# Altium PCB PCB2.PcbDoc (part 1 of 2) (continued)
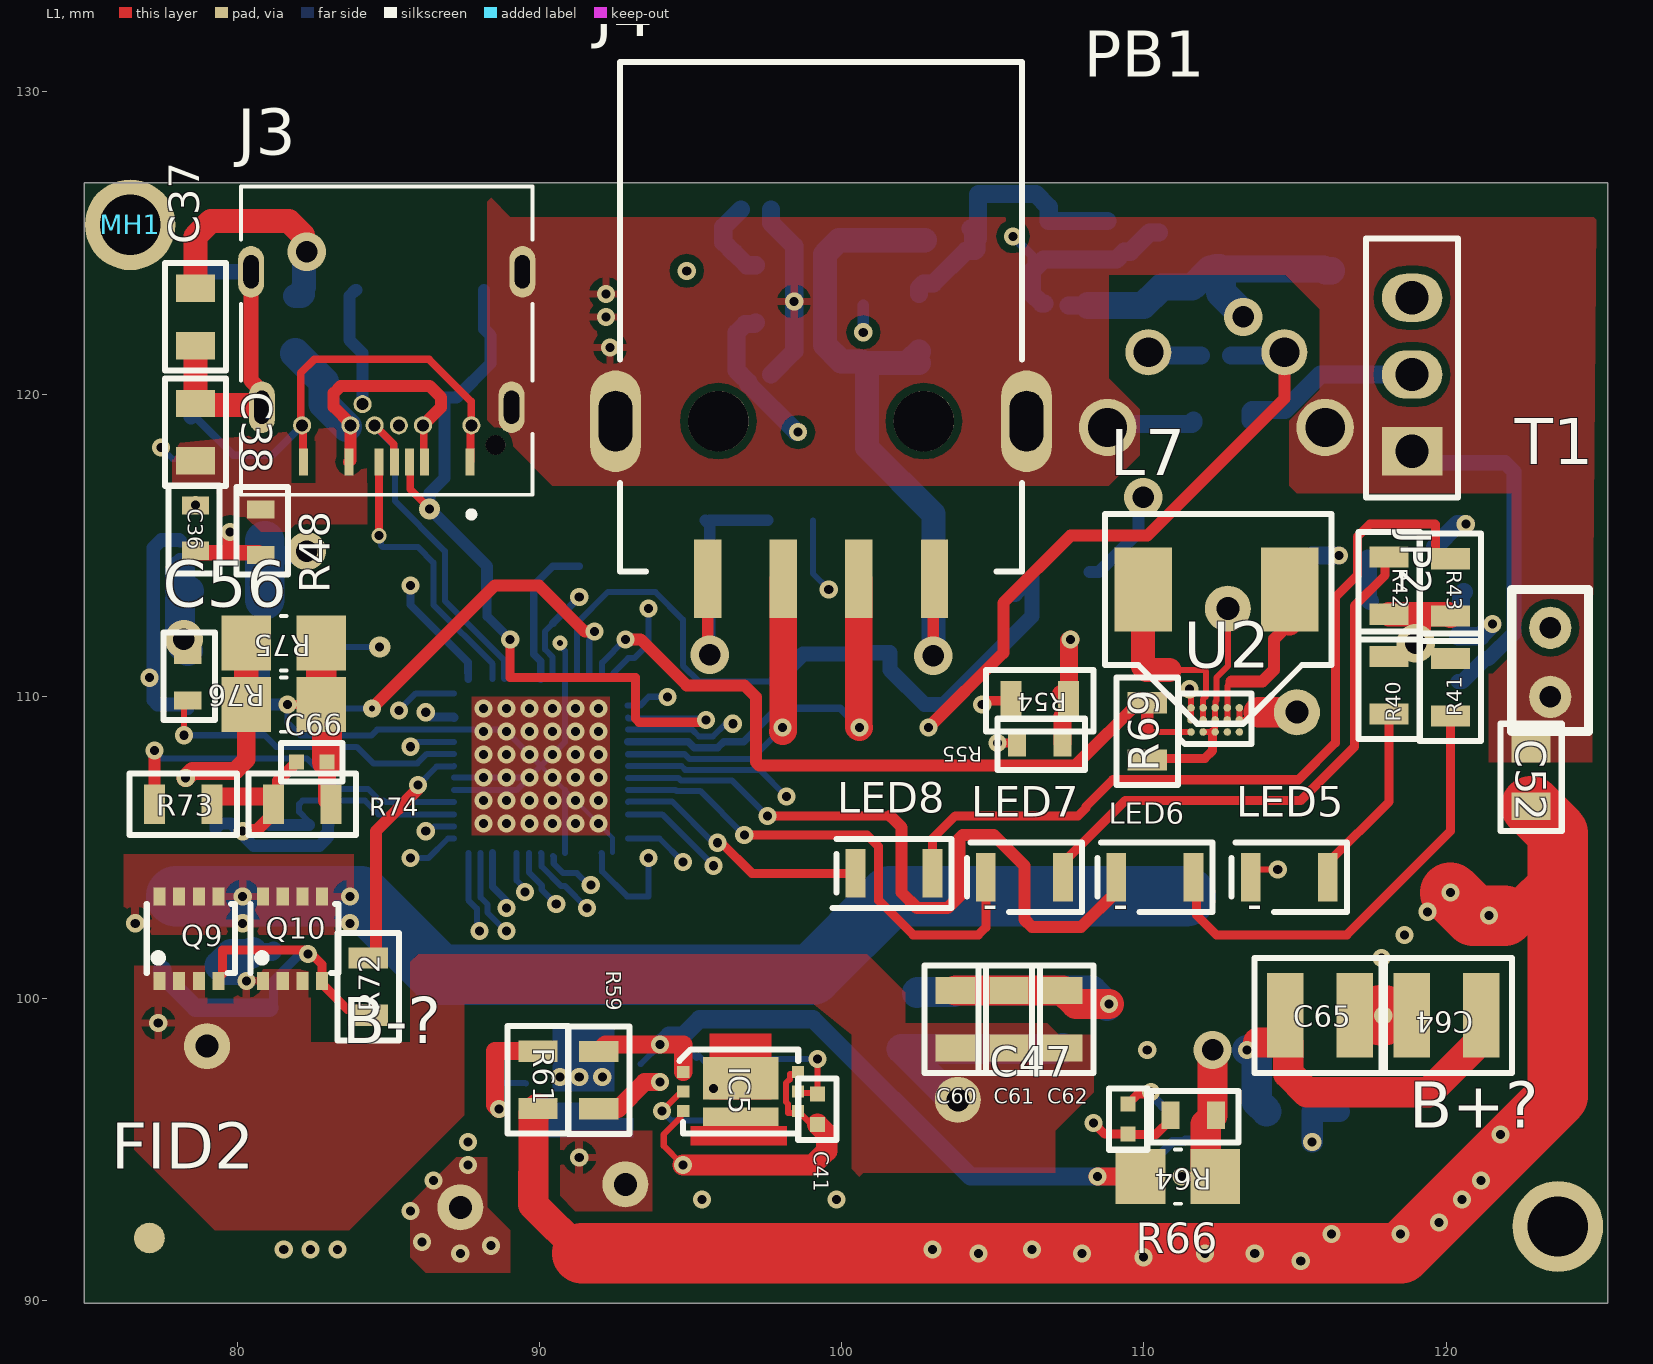
[diagram p0: L1 view]
## Design rules (kind name [scope] priority, off if disabled: settings) (continued)
PolygonConnect PolygonConnect_15 [All vs IsNamedPolygon('L4-GND 1')] p13: thpad.connectstyle=Direct thpad.reliefconductorwidth=0.254 thpad.reliefentries=4 thpad.polygonreliefangle="90 Angle" thpad.airgapwidth=0.254 smdpad.connectstyle=Direct smdpad.reliefconductorwidth=0.254 smdpad.reliefentries=4 smdpad.polygonreliefangle="90 Angle" smdpad.airgapwidth=0.254 via.connectstyle=Relief via.reliefconductorwidth=0.254 via.reliefentries=4 via.polygonreliefangle="90 Angle" via.airgapwidth=0.254
PolygonConnect PolygonConnect_14 [All vs IsNamedPolygon('L4-GND')] p14: thpad.connectstyle=Direct thpad.reliefconductorwidth=0.254 thpad.reliefentries=4 thpad.polygonreliefangle="90 Angle" thpad.airgapwidth=0.254 smdpad.connectstyle=Direct smdpad.reliefconductorwidth=0.254 smdpad.reliefentries=4 smdpad.polygonreliefangle="90 Angle" smdpad.airgapwidth=0.254 via.connectstyle=Relief via.reliefconductorwidth=0.254 via.reliefentries=4 via.polygonreliefangle="90 Angle" via.airgapwidth=0.254
PolygonConnect PolygonConnect_13 [All vs IsNamedPolygon('L4-B+')] p15: thpad.connectstyle=Direct thpad.reliefconductorwidth=0.254 thpad.reliefentries=4 thpad.polygonreliefangle="90 Angle" thpad.airgapwidth=0.254 smdpad.connectstyle=Direct smdpad.reliefconductorwidth=0.254 smdpad.reliefentries=4 smdpad.polygonreliefangle="90 Angle" smdpad.airgapwidth=0.254 via.connectstyle=Relief via.reliefconductorwidth=0.254 via.reliefentries=4 via.polygonreliefangle="90 Angle" via.airgapwidth=0.254
PolygonConnect PolygonConnect_12 [All vs IsNamedPolygon('L4-ISEN')] p16: thpad.connectstyle=Direct thpad.reliefconductorwidth=0.254 thpad.reliefentries=4 thpad.polygonreliefangle="90 Angle" thpad.airgapwidth=0.254 smdpad.connectstyle=Direct smdpad.reliefconductorwidth=0.254 smdpad.reliefentries=4 smdpad.polygonreliefangle="90 Angle" smdpad.airgapwidth=0.254 via.connectstyle=Relief via.reliefconductorwidth=0.254 via.reliefentries=4 via.polygonreliefangle="90 Angle" via.airgapwidth=0.254
PolygonConnect PolygonConnect_11 [All vs IsNamedPolygon('L1-VCC')] p17: thpad.connectstyle=Direct thpad.reliefconductorwidth=0.254 thpad.reliefentries=4 thpad.polygonreliefangle="90 Angle" thpad.airgapwidth=0.254 smdpad.connectstyle=Direct smdpad.reliefconductorwidth=0.254 smdpad.reliefentries=4 smdpad.polygonreliefangle="90 Angle" smdpad.airgapwidth=0.254 via.connectstyle=Relief via.reliefconductorwidth=0.254 via.reliefentries=4 via.polygonreliefangle="90 Angle" via.airgapwidth=0.254
PolygonConnect PolygonConnect_10 [All vs IsNamedPolygon('L4-NetL8_1')] p18: thpad.connectstyle=Direct thpad.reliefconductorwidth=0.254 thpad.reliefentries=4 thpad.polygonreliefangle="90 Angle" thpad.airgapwidth=0.254 smdpad.connectstyle=Direct smdpad.reliefconductorwidth=0.254 smdpad.reliefentries=4 smdpad.polygonreliefangle="90 Angle" smdpad.airgapwidth=0.254 via.connectstyle=Relief via.reliefconductorwidth=0.254 via.reliefentries=4 via.polygonreliefangle="90 Angle" via.airgapwidth=0.254
PolygonConnect PolygonConnect_9 [All vs IsNamedPolygon('L1-No Net')] p19: thpad.connectstyle=Direct thpad.reliefconductorwidth=0.254 thpad.reliefentries=4 thpad.polygonreliefangle="90 Angle" thpad.airgapwidth=0.254 smdpad.connectstyle=Direct smdpad.reliefconductorwidth=0.254 smdpad.reliefentries=4 smdpad.polygonreliefangle="90 Angle" smdpad.airgapwidth=0.254 via.connectstyle=Relief via.reliefconductorwidth=0.254 via.reliefentries=4 via.polygonreliefangle="90 Angle" via.airgapwidth=0.254
PolygonConnect PolygonConnect_8 [All vs IsNamedPolygon('L1-NetL8_1')] p20: thpad.connectstyle=Direct thpad.reliefconductorwidth=0.254 thpad.reliefentries=4 thpad.polygonreliefangle="90 Angle" thpad.airgapwidth=0.254 smdpad.connectstyle=Direct smdpad.reliefconductorwidth=0.254 smdpad.reliefentries=4 smdpad.polygonreliefangle="90 Angle" smdpad.airgapwidth=0.254 via.connectstyle=Relief via.reliefconductorwidth=0.254 via.reliefentries=4 via.polygonreliefangle="90 Angle" via.airgapwidth=0.254
PolygonConnect PolygonConnect_7 [All vs IsNamedPolygon('L4-NetL8_1')] p21: thpad.connectstyle=Direct thpad.reliefconductorwidth=0.254 thpad.reliefentries=4 thpad.polygonreliefangle="90 Angle" thpad.airgapwidth=0.254 smdpad.connectstyle=Direct smdpad.reliefconductorwidth=0.254 smdpad.reliefentries=4 smdpad.polygonreliefangle="90 Angle" smdpad.airgapwidth=0.254 via.connectstyle=Relief via.reliefconductorwidth=0.254 via.reliefentries=4 via.polygonreliefangle="90 Angle" via.airgapwidth=0.254
PolygonConnect PolygonConnect_6 [All vs IsNamedPolygon('L4-NetL8_1')] p22: thpad.connectstyle=Direct thpad.reliefconductorwidth=0.254 thpad.reliefentries=4 thpad.polygonreliefangle="90 Angle" thpad.airgapwidth=0.254 smdpad.connectstyle=Relief smdpad.reliefconductorwidth=0.254 smdpad.reliefentries=4 smdpad.polygonreliefangle="90 Angle" smdpad.airgapwidth=0.254 via.connectstyle=Relief via.reliefconductorwidth=0.254 via.reliefentries=4 via.polygonreliefangle="90 Angle" via.airgapwidth=0.254
PolygonConnect PolygonConnect_5 [All vs IsNamedPolygon('L4-NetL8_1')] p23: thpad.connectstyle=Direct thpad.reliefconductorwidth=0.254 thpad.reliefentries=4 thpad.polygonreliefangle="90 Angle" thpad.airgapwidth=0.254 smdpad.connectstyle=Direct smdpad.reliefconductorwidth=0.254 smdpad.reliefentries=4 smdpad.polygonreliefangle="90 Angle" smdpad.airgapwidth=0.254 via.connectstyle=Relief via.reliefconductorwidth=0.254 via.reliefentries=4 via.polygonreliefangle="90 Angle" via.airgapwidth=0.254
PolygonConnect PolygonConnect_4 [All vs IsNamedPolygon('L4-NetC48_2')] p24: thpad.connectstyle=Direct thpad.reliefconductorwidth=0.254 thpad.reliefentries=4 thpad.polygonreliefangle="90 Angle" thpad.airgapwidth=0.254 smdpad.connectstyle=Direct smdpad.reliefconductorwidth=0.254 smdpad.reliefentries=4 smdpad.polygonreliefangle="90 Angle" smdpad.airgapwidth=0.254 via.connectstyle=Relief via.reliefconductorwidth=0.254 via.reliefentries=4 via.polygonreliefangle="90 Angle" via.airgapwidth=0.254
PolygonConnect PolygonConnect_3 [All vs IsNamedPolygon('L4-NetC48_2')] p25: thpad.connectstyle=Direct thpad.reliefconductorwidth=0.254 thpad.reliefentries=4 thpad.polygonreliefangle="90 Angle" thpad.airgapwidth=0.254 smdpad.connectstyle=Direct smdpad.reliefconductorwidth=0.254 smdpad.reliefentries=4 smdpad.polygonreliefangle="90 Angle" smdpad.airgapwidth=0.254 via.connectstyle=Relief via.reliefconductorwidth=0.254 via.reliefentries=4 via.polygonreliefangle="90 Angle" via.airgapwidth=0.254
PolygonConnect PolygonConnect_2 [All vs IsNamedPolygon('L4-NetC48_2')] p26: thpad.connectstyle=Direct thpad.reliefconductorwidth=0.254 thpad.reliefentries=4 thpad.polygonreliefangle="90 Angle" thpad.airgapwidth=0.254 smdpad.connectstyle=Direct smdpad.reliefconductorwidth=0.254 smdpad.reliefentries=4 smdpad.polygonreliefangle="90 Angle" smdpad.airgapwidth=0.254 via.connectstyle=Relief via.reliefconductorwidth=0.254 via.reliefentries=4 via.polygonreliefangle="90 Angle" via.airgapwidth=0.254
PolygonConnect PolygonConnect_1 [All vs IsNamedPolygon('L4-NetC48_2')] p27: thpad.connectstyle=Direct thpad.reliefconductorwidth=0.254 thpad.reliefentries=4 thpad.polygonreliefangle="90 Angle" thpad.airgapwidth=0.254 smdpad.connectstyle=Direct smdpad.reliefconductorwidth=0.254 smdpad.reliefentries=4 smdpad.polygonreliefangle="90 Angle" smdpad.airgapwidth=0.254 via.connectstyle=Relief via.reliefconductorwidth=0.254 via.reliefentries=4 via.polygonreliefangle="90 Angle" via.airgapwidth=0.254
PolygonConnect [All] p28: connectstyle=Relief reliefconductorwidth=0.254 reliefentries=4 polygonreliefangle="90 Angle" airgapwidth=0.254
RoutingVias [All] p1: holewidth=0.711 width=1.27 viastyle="Through Hole" minholewidth=0.711 minwidth=1.27 maxholewidth=0.711 maxwidth=1.27
SolderMaskExpansion [All] p1: expansion=0.08
Width [All] p1: maxlimit=10 minlimit=0.15 preferedwidth=0.254 midlayer1_minwidth=0.254 midlayer1_maxwidth=5 midlayer2_minwidth=0.254 midlayer2_maxwidth=5 minimp=50.000000 maximp=50.000000 favimp=50.000000
29 further rules are at their usual default settings.

## Components (designator, comment, footprint, x,y, rotation, side; value= is the part's Value field where it differs from the comment)
B+? "SMD PAD" "SMD PAD" 120.142,93.345 r0 top
B-? "SMD PAD" "SMD PAD" 84.836,96.139 r0 top
C34 "1uF 16V" R0603 91.313,115.062 r270 bottom
C35 "1000pF 16V" C0402 112.387,121.285 r180 bottom
C36 "1uF 16V" R0603 78.613,115.57 r270 top
C37 "22uF 16V 0805" "Cap 0805" 78.613,122.555 r90 top
C38 "100n" "Cap 0805" 78.613,118.745 r270 top
C39 "390pF" R0603 87.63,121.793 r180 bottom
C40 "1uF 16V" R0603 120.396,111.24 r90 bottom
C41 "0.1uF 16V" C0402 99.195,96.337 r90 top
C42 "390pF" R0603 84.455,121.793 r180 bottom
C43 "1uF 16V" R0603 114.808,96.266 r0 bottom
C44 "100n" "Cap 0805" 103.505,121.031 r180 bottom
C45 "22uF 16V 0805" "Cap 0805" 103.505,123.317 r180 bottom
C46 "0.1uF 16V" C0402 88.654,97.734 r270 bottom
C47 "0.1uF 16V" C0402 109.474,96.012 r90 top
C48 "0.1uF 16V" C0402 93.218,124.206 r0 bottom
C49 "22uF 16V 0805" "Cap 0805" 112.395,125.095 r270 bottom
C50 "22uF 16V 0805" "Cap 0805" 114.173,125.095 r270 bottom
C51 "22uF 16V 0805 x3" "Cap 0805" 116.205,125.034 r270 bottom
C52 "10u" "Cap 0805" 122.809,107.315 r270 top
C53 "1000pF 16V" C0402 97.155,120.65 r180 bottom
C54 "22000pF 16V" C0402 97.163,126.111 r180 bottom
C55 "1uF 16V" R0603 102.489,99.441 r270 bottom
C56 "1uF 16V" R0603 78.359,110.617 r90 top
C57 "22uF 16V 0805" "Cap 0805" 107.315,99.314 r270 bottom
C58 "22uF 16V 0805" "Cap 0805" 105.537,99.314 r270 bottom
C59 "22uF 16V 0805" "Cap 0805" 103.759,99.314 r270 bottom
C60 "22uF 16V 0805" "Cap 0805" 103.759,99.314 r270 top
C61 "22uF 16V 0805" "Cap 0805" 105.537,99.314 r270 top
C62 "22uF 16V 0805" "Cap 0805" 107.315,99.314 r270 top
C63 "1pF 16V" C0402 81.191,101.092 r90 bottom
C64 "47uF 16V" C1210 120.015,99.441 r180 top
C65 "47uF 16V" C1210 115.824,99.441 r0 top
C66 "1pF 16V" C0402 82.461,107.823 r180 top
D5 "3pins schottkey common cathode 0.2A 30V" "3Pins schottkey" 119.634,114.173 r180 bottom
D6 "zener SOD532 5.1V 10mA" "Zener SOD532" 87.503,123.444 r180 bottom
D7 "zener SOD532 5.1V 10mA" "Zener SOD532" 84.607,123.444 r0 bottom
D8 "Common Anode" "3Pins schottkey" 116.525,112.432 r0 bottom
FID1 "FID 1mm" FID 123.571,124.587 r180 bottom
FID2 "FID 1mm" FID 77.089,92.075 r90 top
IC4 "LC709511FQD-A00TWG" Quad52 90.043,107.696 r270 bottom
IC5 "LC05111C02MTTTG" LC05111C02MTTTGOSCT 96.655,96.924 r270 top
IC6 "LC05111C02MTTTG" LC05111C02MTTTGOSCT 91.448,97.183 r270 bottom
J3 "10137061-00021LF" PCBComponent_1 84.941,120.904 r180 top
J4 "USB A SMD" 692122030100 99.314,122.555 r180 top
JP2 "HDR Male 1x3" "HDR Male 1x3" 118.872,118.11 r180 top
L5 "Ferrite bead 30Ohm" R0805 81.915,122.301 r90 bottom
L6 "Ferrite bead 30Ohm" R0805 103.505,125.095 r0 bottom
L7 "470nH 12A" "inductor 470nH" 112.395,113.538 r0 top
L8 "4.6uH Power inductor" "inductor mouser" 115.179,103.378 r0 bottom
LED5 "RED SMD" "ORNG LED SMD 1206" 114.808,104.013 r0 top
LED6 "RED SMD" "ORNG LED SMD 1206" 110.363,104.013 r0 top
LED7 "RED SMD" "ORNG LED SMD 1206" 106.045,104.013 r0 top
LED8 "GRN SMD" "GRN SMD LED" 101.727,104.14 r0 top
MH1 "MH. not plated" "MH. not plated" 76.454,125.603 r180 top
MH2 "MH. not plated" "MH. not plated" 123.698,92.456 r180 bottom
PB1 "FSMRA4JH04" "PB Right angle through hole" 112.395,120.142 r180 top
Q7 "P channel mosfet" ECH8310-TL-H 79.502,114.173 r90 bottom
Q8 "P channel mosfet" ECH8310-TL-H 107.823,124.333 r180 bottom
Q9 "P channel mosfet" ECH8310-TL-H 78.397,101.981 r0 top
Q10 "P channel mosfet" ECH8310-TL-H 81.826,101.981 r0 top
Q11 "N channel mosfet" "Power mosfet on semi" 78.302,104.267 r180 bottom
Q12 "N channel mosfet" "Power mosfet on semi" 82.038,104.267 r180 bottom
R39 "100K" R0805 112.583,119.126 r180 bottom
R40 "330" R0805 118.11,110.363 r90 top
R41 "330" R0805 120.142,110.302 r90 top
R42 "330" R0805 118.11,113.665 r270 top
R43 "330" R0805 120.142,113.604 r270 top
R44 "100K" R0805 106.426,115.062 r90 bottom
R45 "51k" R0805 108.204,115.062 r90 bottom
R46 "51k" R0805 81.595,109.601 r0 bottom
R47 "51k" R0805 81.661,111.379 r0 bottom
R48 "100Ohm" R0603 80.772,115.431 r90 top
R49 "100Ohm" R0603 78.464,118.491 r270 bottom
R50 "510k" R0805 78.359,110.556 r90 bottom
R51 "1k ohm" R0805 95.512,96.914 r90 bottom
R52 "20mOhm" R1206 78.464,122.301 r90 bottom
R53 "680Ohm 1/8 W" R0805 97.036,96.914 r270 bottom
R54 "10k ohm" R0805 106.553,109.855 r0 top
R55 "100Ohm" R0603 106.553,108.458 r0 top
R56 "100Ohm" R0603 117.221,96.266 r0 bottom
R57 "100Ohm" R0603 98.298,115.824 r0 bottom
R58 "20mOhm" R1206 94.234,115.824 r180 bottom
R59 "1k ohm" R0805 91.956,97.3 r90 top
R60 "510k" R0805 110.49,124.394 r270 bottom
R61 "680Ohm 1/8 W" R0805 89.948,97.308 r270 top
R62 "100Ohm" R0603 111.645,96.012 r0 bottom
R63 "10mOhm" R1206 111.125,94.107 r180 bottom
R64 "10mOhm" R1206 111.125,94.107 r180 top
R65 "910k 1%" R0805 100.711,121.986 r270 bottom
R66 "100Ohm" R0603 111.633,96.139 r0 top
R67 "180k 1%" R0805 93.472,122.174 r0 bottom
R68 "2.2k" R0805 97.155,123.317 r90 bottom
R69 "51k" R0805 110.109,108.839 r90 top
R70 "150k" R0805 116.459,114.554 r180 bottom
R71 "100K" R0805 78.463,101.092 r180 bottom
R72 "0 R" R0805 84.328,100.396 r270 top
R73 "0 R" R0805 78.204,106.426 r0 top
R74 "100K" R0805 82.146,106.426 r180 top
R75 "10mOhm" R1206 81.534,111.76 r180 top
R76 "10mOhm" R1206 81.534,109.728 r180 top
T1 "10K NTC thermistor" THERMISTOR 123.444,111.125 r90 top
U2 "2nd boost ic" BGA3x5 112.357,109.22 r90 top

## Footprints (in the part's own frame and the unit in brackets; to place one, negate y for a bottom-side part, rotate by r counter-clockwise, add the part's x,y. Pads: shape width x height; smd on the part's side, far side on the other; paste and mask are expansions set on the pad)
"3Pins schottkey" [mm]
  rect 0.8x0.9 smd: 1(-0.95,-0.725) 2(0.95,-0.725) 3(0,0.725)
  silkscreen extent -1.4,-0.64 1.4,0.76, body extent -1.46,-1.18 1.46,1.19, height 1.11
692122030100 [mm]
  rect 0.9x2.6 smd: 1(-3.75,8.67) 2(-1.25,8.67) 3(1.25,8.67) 4(3.75,8.67)
  oval 1.68x3.36 hole 1.12 slot 2 at 90 deg: S1(6.8,3.45) S2(-6.8,3.45)
  round 2 hole 2 unplated: ""(-3.4,3.45) ""(3.4,3.45)
  silkscreen extent -6.65,-8.43 6.65,8.43, body extent -7.68,-8.21 7.42,9.59, height 7.96
BGA3x5 [mm]
  round 0.25 smd mask+0.015: AGND(-0.4,0) EN(-0.4,0.8) GND(0,0) GND(0.4,0) LX1(0,0.4) LX1(0.4,0.4) LX2(0,-0.4) LX2(0.4,-0.4) SCL(-0.4,-0.4) SDA(-0.4,-0.8) VIN(0,0.8) VIN(0.4,0.8) VOUT(0,-0.8) VOUT(0.4,-0.8) VSEL(-0.4,0.4)
  silkscreen extent -0.8,-1.2 0.87,1.2, body extent -0.67,-1.13 0.67,1.13, height 0.54
C0402 [mm]
  rect 0.5x0.5 smd: 1(-0.5,0) 2(0.5,0)
  silkscreen extent -1.02,-0.64 1.02,0.64, body extent -0.5,-0.25 0.5,0.25, height 0.47
C1210 [mm]
  rect 1.2x2.8 smd: 1(-1.15,0) 2(1.15,0)
  silkscreen extent -2.16,-1.91 2.16,1.91, body extent -1.6,-1.25 1.6,1.25, height 0.94
"Cap 0805" [mm]
  rect 0.9x1.3 smd: 1(-0.95,0) 2(0.95,0)
  silkscreen extent -1.78,-1.02 1.78,1.02, body extent -1,-0.6 1,0.6, height 1.53
ECH8310-TL-H [mm]
  rect 0.4x0.6 smd: D(-0.975,1.4) D(-0.325,1.4) D(0.325,1.4) D(0.975,1.4) G(0.975,-1.4) S(-0.975,-1.4) S(-0.325,-1.4) S(0.325,-1.4)
  silkscreen extent -1.4,-1.14 1.52,1.14, body extent -1.45,-1.4 1.45,1.4, height 0.95
FID [mil]
  round 40 smd paste-1574.8 mask+40: 1(0,0)
"GRN SMD LED" [mm]
  rect 0.65x1.6 smd: 1(-1.275,0) 2(1.275,0)
  silkscreen extent -2.03,-1.14 1.91,1.14, body extent -1.6,-0.8 1.6,0.8, height 1.1
"HDR Male 1x3" [mm]
  rect 2x1.6 hole 1.1: 1(0,0)
  oval 2x1.6 hole 1.1: 2(0,-2.54) 3(0,-5.08)
  silkscreen extent -1.52,-7.04 1.52,1.52, body extent -1.21,-6.15 1.2,1.07, height 8.1
"inductor 470nH" [mm]
  rect 1.905x2.79 smd: 1(-2.425,0) 2(2.426,0)
  silkscreen extent -3.68,-4.44 3.81,2.5, body extent -3.25,-3 3.25,3, height 3
"inductor mouser" [mm]
  rect 2.2x5.2 smd: 1(-3.8,0) 2(3.8,0)
  silkscreen extent -6,-6 6,6, body extent -6,-6 6,6, height 7.42
LC05111C02MTTTGOSCT [mm]
  rect 0.4x0.4 smd: CS(0,-1.9) S1(-0.65,1.9) S2(-0.65,-1.9) TST(0.65,-1.9) VCC(0,1.9) VSS(0.65,1.9)
  rect 1.415x2.5 smd: D(-0.437,0)
  rect 0.615x2.5 smd mask+0.09: SUB(0.837,0)
  L1 region: 0.635,1.143 1.143,1.143 1.143,1.524 1.778,1.524 1.778,-1.651 1.143,-1.651 1.143,-1.143 0.635,-1.143
  L1 region: 0.127,1.016 -1.905,1.016 -1.905,-1.016 0.254,-1.016 0.254,1.016
  silkscreen extent -1.4,-2.03 1.4,1.91, body extent -1.3,-1.9 1.3,1.9, height 0.9
"MH. not plated" [mm]
  round 3 hole 2 unplated: 1(0,0)
"ORNG LED SMD 1206" [mm]
  rect 0.65x1.6 smd: 1(-1.275,0) 2(1.275,0)
  silkscreen extent -1.91,-1.14 1.91,1.14, body extent -1.6,-0.8 1.6,0.8, height 1.1
"PB Right angle through hole" [mm]
  round 1.524 hole 0.99: 1(-2.25,-1.245) 2(2.25,-1.245)
  round 1.9 hole 1.3: 3(3.6,1.245) 4(-3.6,1.245)
  body extent -4.2,-9.6 4.21,2.76, height 7.06
PCBComponent_1 [mm]
  rect 0.3x0.9 smd: A1(-2.75,3.145) A4(-1.25,3.145) A5(-0.75,3.145) A6(-0.25,3.145) A7(0.25,3.145) A9(1.25,3.145) A12(2.75,3.145)
  round 0.6 hole 0.4: B1(2.8,1.935) B4(1.2,1.935) B5(0.8,1.235) B6(0.4,1.935) B7(-0.4,1.935) B9(-1.2,1.935) B12(-2.8,1.935)
  oval 0.85x1.7 hole 0.5 slot 1.1 at 90 deg mask+0.08: S1(-4.13,1.335)
  oval 0.85x1.7 hole 0.5 slot 1.1 at 90 deg: S2(4.13,1.335) S3(-4.49,-3.145) S4(4.49,-3.145)
  round 0.65 hole 0.65 unplated: ""(-3.6,2.585)
  silkscreen extent -4.82,-5.96 4.83,4.98, body extent -4.82,-5.95 4.83,4.25, height 3.17
"Power mosfet on semi" [mm]
  rect 0.545x0.57 smd: D(-1.45,0) D(1.45,0)
  rect 0.42x0.47 smd: D(-0.975,-1.47) D(-0.325,-1.47) D(0.325,-1.47) D(0.975,-1.47)
  rect 2.37x1.83 smd: D(0,-0.55)
  rect 0.42x0.66 smd: G(-0.975,1.47) S(-0.325,1.47) S(0.325,1.47) S(0.975,1.47)
  body extent -1.65,-1.65 1.65,1.65, height 1.04
Quad52 [mm]
  rect 0.65x0.25 smd: 1(-2.875,2.4) 2(-2.875,2) 3(-2.875,1.6) 4(-2.875,1.2) 5(-2.875,0.8) 6(-2.875,0.4) 7(-2.875,0) 8(-2.875,-0.4) 9(-2.875,-0.8) 10(-2.875,-1.2) 11(-2.875,-1.6) 12(-2.875,-2) 13(-2.875,-2.4) 27(2.875,-2.4) 28(2.875,-2) 29(2.875,-1.6) 30(2.875,-1.2) 31(2.875,-0.8) 32(2.875,-0.4) 33(2.875,0) 34(2.875,0.4) 35(2.875,0.8) 36(2.875,1.2) 37(2.875,1.6) 38(2.875,2) 39(2.875,2.4)
  rect 0.25x0.65 smd: 14(-2.4,-2.875) 15(-2,-2.875) 16(-1.6,-2.875) 17(-1.2,-2.875) 18(-0.8,-2.875) 19(-0.4,-2.875) 20(0,-2.875) 21(0.4,-2.875) 22(0.8,-2.875) 23(1.2,-2.875) 24(1.6,-2.875) 25(2,-2.875) 26(2.4,-2.875) 40(2.4,2.875) 41(2,2.875) 42(1.6,2.875) 43(1.2,2.875) 44(0.8,2.875) 45(0.4,2.875) 46(0,2.875) 47(-0.4,2.875) 48(-0.8,2.875) 49(-1.2,2.875) 50(-1.6,2.875) 51(-2,2.875) 52(-2.4,2.875)
  rect 4.572x4.572 smd: 53(0,0)
  L1 pour cut-out: 2.667,2.54
  L1 pour cut-out: 2.667,2.54
  L1 pour cut-out: 2.71,2.525 2.55,2.385 2.55,2.525
  L1 pour cut-out: 2.37,2.555 2.53,2.695 2.53,2.555
  L1 pour cut-out: 2.525,-2.71 2.385,-2.55 2.525,-2.55
  L1 pour cut-out: 2.555,-2.37 2.695,-2.53 2.555,-2.53
  L1 pour cut-out: -2.71,-2.525 -2.55,-2.385 -2.55,-2.525
  L1 pour cut-out: -2.37,-2.555 -2.53,-2.695 -2.53,-2.555
  L1 pour cut-out: -2.525,2.71 -2.385,2.55 -2.525,2.55
  L1 pour cut-out: -2.555,2.37 -2.695,2.53 -2.555,2.53
  silkscreen extent -2.01,-2.01 2.01,2.01, body extent -3.05,-3.05 3.05,3.05, height 1
R0603 [mm]
  rect 0.6x0.9 smd: 1(-0.75,0) 2(0.75,0)
  silkscreen extent -1.4,-0.9 1.5,0.8, body extent -0.8,-0.4 0.8,0.44, height 0.8
R0805 [mm]
  rect 0.7x1.3 smd: 1(-0.95,0) 2(0.95,0)
  silkscreen extent -1.78,-1.02 1.78,1.02, body extent -1,-0.6 1,0.6, height 0.7
R1206 [mm]
  rect 1.64x1.82 smd: 1(-1.24,0) 2(1.24,0)
  silkscreen extent -0.1,-0.9 0.1,0.9, body extent -1.6,-0.8 1.6,0.8, height 0.75
"SMD PAD" [mm]
  rect 3x3 smd far side: 1(0,0)
THERMISTOR [mm]
  round 1.4 hole 0.711: 1(-1.143,0) 2(1.143,0)
  silkscreen extent -2.29,-1.27 2.41,1.27, body extent -0.79,-0.8 0.79,0.8, height 35
"Zener SOD532" [mm]
  rect 0.48x0.4 smd: 1(-0.66,0) 2(0.66,0)
  silkscreen extent -1.29,-0.64 1.27,0.64, body extent -0.8,-0.4 0.8,0.4, height 0.7

## Part data
C34 C36 C40 C43 C55 C56: library part "1uF cap", "Cap Ceramic 1uF 16V Y5V -20% to 80% SMD 0603 85C T/R", Capacitance=1uF, Case/Package=0603, Case Code (Metric)=1608, Dielectric=Y5V, Manufacturer 1=Yageo, Manufacturer Part Number 1=CC0603ZRY5V7BB105, Max Operating Temperature=85°C, Min Operating Temperature=-30°C, Package Quantity=1, Supplier Part Number 1=311-1372-1-ND, Tolerance=80%, Voltage Rating=16V, Case Code (Imperial)=0603, ComponentLink1Description=https://datasheet.ciiva.com/26936/getdatasheetpartid-782716-26936063.pdf?src-supplier=Verical, ComponentLink1URL=https://datasheet.ciiva.com/26936/getdatasheetpartid-782716-26936063.pdf?src-supplier=Verical, ComponentLink2Description=https://datasheet.ciiva.com/144/mlccorderingcode-144385.pdf?src-supplier=Digi-Key, ComponentLink2URL=https://datasheet.ciiva.com/144/mlccorderingcode-144385.pdf?src-supplier=Digi-Key, ComponentLink3Description=https://datasheet.ciiva.com/144/mlccorderingcode-144386.pdf?src-supplier=Digi-Key, ComponentLink3URL=https://datasheet.ciiva.com/144/mlccorderingcode-144386.pdf?src-supplier=Digi-Key, ComponentLink4Description=https://datasheet.ciiva.com/144/mlccorderingcode-144387.pdf?src-supplier=Digi-Key, ComponentLink4URL=https://datasheet.ciiva.com/144/mlccorderingcode-144387.pdf?src-supplier=Digi-Key, ComponentLink5Description=https://datasheet.ciiva.com/7978/1132289-7978188.pdf?src-supplier=Element14, ComponentLink5URL=https://datasheet.ciiva.com/7978/1132289-7978188.pdf?src-supplier=Element14, ComponentLink6Description=https://datasheet.ciiva.com/11587/upy-gphc-y5v-6-3v-to-50v-5-11587228.pdf?src-supplier=Avnet, ComponentLink6URL=https://datasheet.ciiva.com/11587/upy-gphc-y5v-6-3v-to-50v-5-11587228.pdf?src-supplier=Avnet, ComponentLink7Description=https://datasheet.ciiva.com/5425/upy-gphc-y5v-6-3v-to-50v-5-5425454.pdf?src-supplier=Mouser, ComponentLink7URL=https://datasheet.ciiva.com/5425/upy-gphc-y5v-6-3v-to-50v-5-5425454.pdf?src-supplier=Mouser, ComponentLink8Description=https://datasheet.ciiva.com/16623/upy-gphc-y5v-6-3v-to-50v-5-16623902.pdf?src-supplier=Avnet+Europe, ComponentLink8URL=https://datasheet.ciiva.com/16623/upy-gphc-y5v-6-3v-to-50v-5-16623902.pdf?src-supplier=Avnet+Europe, Composition=Ceramic, Depth=0.8mm, Dissipation Factor=12.5%, Halogen Free="Halogen Free", Height=0.8mm, Lead Free="Lead Free", Length=1.6mm, Mount="Surface Mount", Packaging="Tape and Reel", Pricing 1="1=0.10000, 10=0.07600, 50=0.04160, 100=0.03400, 500=0.02426, 1000=0.01906 (USD)", Radiation Hardening=No, REACH SVHC=Unknown, RoHS=Yes, Stock 1=1011162, Supplier 1=Digi-Key, Termination=SMD/SMT, Thickness=0.035inch, Voltage Rating (DC)=16V, Width=0.031inch
C35 C53: library part "1000pF cap", "Cap Ceramic 0.001uF 16V X7R 10% Pad SMD 0402 125C T/R", Capacitance=1nF, Case/Package=0402, Case Code (Metric)=1005, Dielectric=X7R, Manufacturer 1=Yageo, Manufacturer Part Number 1=CC0402KRX7R7BB102, Max Operating Temperature=125°C, Min Operating Temperature=-55°C, Package Quantity=1, Supplier Part Number 1=311-1352-6-ND, Tolerance=10%, Voltage Rating=16V, Case Code (Imperial)=0402, ComponentLink1Description=https://datasheet.ciiva.com/143/mlccorderingcode-143963.pdf?src-supplier=Digi-Key, ComponentLink1URL=https://datasheet.ciiva.com/143/mlccorderingcode-143963.pdf?src-supplier=Digi-Key, ComponentLink2Description=https://datasheet.ciiva.com/26862/getdatasheetpartid-698313-26862635.pdf?src-supplier=Verical, ComponentLink2URL=https://datasheet.ciiva.com/26862/getdatasheetpartid-698313-26862635.pdf?src-supplier=Verical, ComponentLink3Description=https://datasheet.ciiva.com/143/mlccorderingcode-143964.pdf?src-supplier=Digi-Key, ComponentLink3URL=https://datasheet.ciiva.com/143/mlccorderingcode-143964.pdf?src-supplier=Digi-Key, ComponentLink4Description=https://datasheet.ciiva.com/17437/upy-gphc-x7r-6-3v-to-50v-8-17437337.pdf?src-supplier=Avnet+Europe, ComponentLink4URL=https://datasheet.ciiva.com/17437/upy-gphc-x7r-6-3v-to-50v-8-17437337.pdf?src-supplier=Avnet+Europe, ComponentLink5Description=https://datasheet.ciiva.com/143/mlccorderingcode-143962.pdf?src-supplier=Digi-Key, ComponentLink5URL=https://datasheet.ciiva.com/143/mlccorderingcode-143962.pdf?src-supplier=Digi-Key, ComponentLink6Description=https://datasheet.ciiva.com/7978/1489800-7978107.pdf?src-supplier=Element14, ComponentLink6URL=https://datasheet.ciiva.com/7978/1489800-7978107.pdf?src-supplier=Element14, ComponentLink7Description=https://datasheet.ciiva.com/11464/upy-gphc-x7r-6-3v-to-50v-8-11464876.pdf?src-supplier=Avnet, ComponentLink7URL=https://datasheet.ciiva.com/11464/upy-gphc-x7r-6-3v-to-50v-8-11464876.pdf?src-supplier=Avnet, Composition=Ceramic, Depth=0.5mm, Halogen Free="Halogen Free", Height=0.5mm, Lead Free="Lead Free", Length=1mm, Mount="Surface Mount", Packaging="Tape and Reel", Pricing 1="1=0.10000, 10=0.02000, 50=0.01120, 100=0.00910, 500=0.00650, 1000=0.00511, 2500=0.00465, 5000=0.00428 (USD)", Radiation Hardening=No, REACH SVHC="No SVHC", RoHS=Yes, Stock 1=549923, Supplier 1=Digi-Key, Termination=SMD/SMT, Thickness=0.022inch, Voltage Rating (DC)=16V, Width=0.5mm
C37 C45 C49 C50 C51 C57 C58 C59 C60 C61 C62: library part GRM21BR61C226ME44L, "Cap Ceramic 22uF 16V X5R 20% Pad SMD 0805 85C T/R"
C38 C44: library part C2012X7R1H104K085AA, "CAP CER 0.1UF 50V X7R 0805", Capacitance=100nF, Case/Package=0805, Case Code (Metric)=2012, Dielectric=X7R, Dielectric Material=Ceramic, Manufacturer 1=TDK, Max Operating Temperature=125°C, Min Operating Temperature=-55°C, Package Quantity=1, Supplier Part Number 1=445-7534-1-ND, Tolerance=10%, Voltage=50V, Case Code (Imperial)=0805, ComponentLink1Description=https://datasheet.ciiva.com/11788/0900766b80c1bb00-11788128.pdf?src-supplier=RSComponents, ComponentLink1URL=https://datasheet.ciiva.com/11788/0900766b80c1bb00-11788128.pdf?src-supplier=RSComponents, ComponentLink2Description=https://datasheet.ciiva.com/6250/tdkmlcccaprange-6250821.pdf?src-supplier=Digi-Key, ComponentLink2URL=https://datasheet.ciiva.com/6250/tdkmlcccaprange-6250821.pdf?src-supplier=Digi-Key, ComponentLink3Description=https://datasheet.ciiva.com/24191/e412-c-24191447.pdf?src-supplier=Future+Electronics, ComponentLink3URL=https://datasheet.ciiva.com/24191/e412-c-24191447.pdf?src-supplier=Future+Electronics, ComponentLink4Description=https://datasheet.ciiva.com/6250/tdkmlcccaprange-6250824.pdf?src-supplier=Digi-Key, ComponentLink4URL=https://datasheet.ciiva.com/6250/tdkmlcccaprange-6250824.pdf?src-supplier=Digi-Key, ComponentLink5Description=https://datasheet.ciiva.com/23803/1796654-23803035.pdf?src-supplier=Newark, ComponentLink5URL=https://datasheet.ciiva.com/23803/1796654-23803035.pdf?src-supplier=Newark, ComponentLink6Description=https://datasheet.ciiva.com/28602/1571323-28602204.pdf?src-supplier=Element14, ComponentLink6URL=https://datasheet.ciiva.com/28602/1571323-28602204.pdf?src-supplier=Element14, Composition=Ceramic, Depth=1.25mm, Height=0.85mm, Lead Free="Lead Free", Length=2mm, Manufacturer Part Number 1=C2012X7R1H104K085AA, Mount="Surface Mount", Number of Pins=2, Packaging="Tape and Reel", Pricing 1="1=0.17000, 10=0.11900, 100=0.05610, 500=0.03936, 1000=0.03258 (USD)", Radiation Hardening=No, REACH SVHC="No SVHC", RoHS=Yes, Stock 1=38824, Supplier 1=Digi-Key, Termination=SMD/SMT, Thickness=0.037inch, Voltage Rating=50V, Voltage Rating (DC)=50V, Weight=0.000194oz, Width=0.049inch
C39 C42: library part "390pF smd cap", "Cap Ceramic 390pF 16V X7R 10% SMD 0201 125C Paper T/R", Case/Package=0201, Case Code (Metric)=0603, Dielectric=X7R, Manufacturer 1="Kyocera AVX", Manufacturer Part Number 1=0201YC391KAT2A, Max Operating Temperature=125°C, Min Operating Temperature=-55°C, Package Quantity=1, Supplier Part Number 1=478-1034-1-ND, Tolerance=10%, Voltage Rating=16V, Capacitance=390pF, Case Code (Imperial)=0201, ComponentLink1Description=https://datasheet.ciiva.com/152/cx7r-152454.pdf?src-supplier=Digi-Key, ComponentLink1URL=https://datasheet.ciiva.com/152/cx7r-152454.pdf?src-supplier=Digi-Key, ComponentLink2Description=https://datasheet.ciiva.com/152/cx7r-152455.pdf?src-supplier=Digi-Key, ComponentLink2URL=https://datasheet.ciiva.com/152/cx7r-152455.pdf?src-supplier=Digi-Key, ComponentLink3Description=https://datasheet.ciiva.com/152/cx7r-152456.pdf?src-supplier=Digi-Key, ComponentLink3URL=https://datasheet.ciiva.com/152/cx7r-152456.pdf?src-supplier=Digi-Key, Depth=0.3mm, Lead Free="Lead Free", Length=0.6mm, Mount="Surface Mount", Number of Pins=2, Packaging="Tape and Reel", Pricing 1="1=0.39000, 10=0.27200, 50=0.19060, 100=0.16340, 500=0.12252, 1000=0.10346, 2500=0.09801, 5000=0.09257 (USD)", Radiation Hardening=No, REACH SVHC=Unknown, RoHS=Yes, Stock 1=15630, Supplier 1=Digi-Key, Termination=SMD/SMT, Thickness=0.013inch, Voltage Rating (DC)=16V, Width=0.3mm